# Altium PCB 掌控拓展板Ⅰ V1.0.PcbDoc (part 2 of 2)
Units mm, origin at the board's own origin, x right, y up, seen from the top; angles counter-clockwise.
Board outline 51.8 x 47.39 mm, 2 copper layers (Top Layer, Bottom Layer); 91 components, 63 nets, 279 pads, 115 vias.
Unrouted connection lines stored in the file: 1.
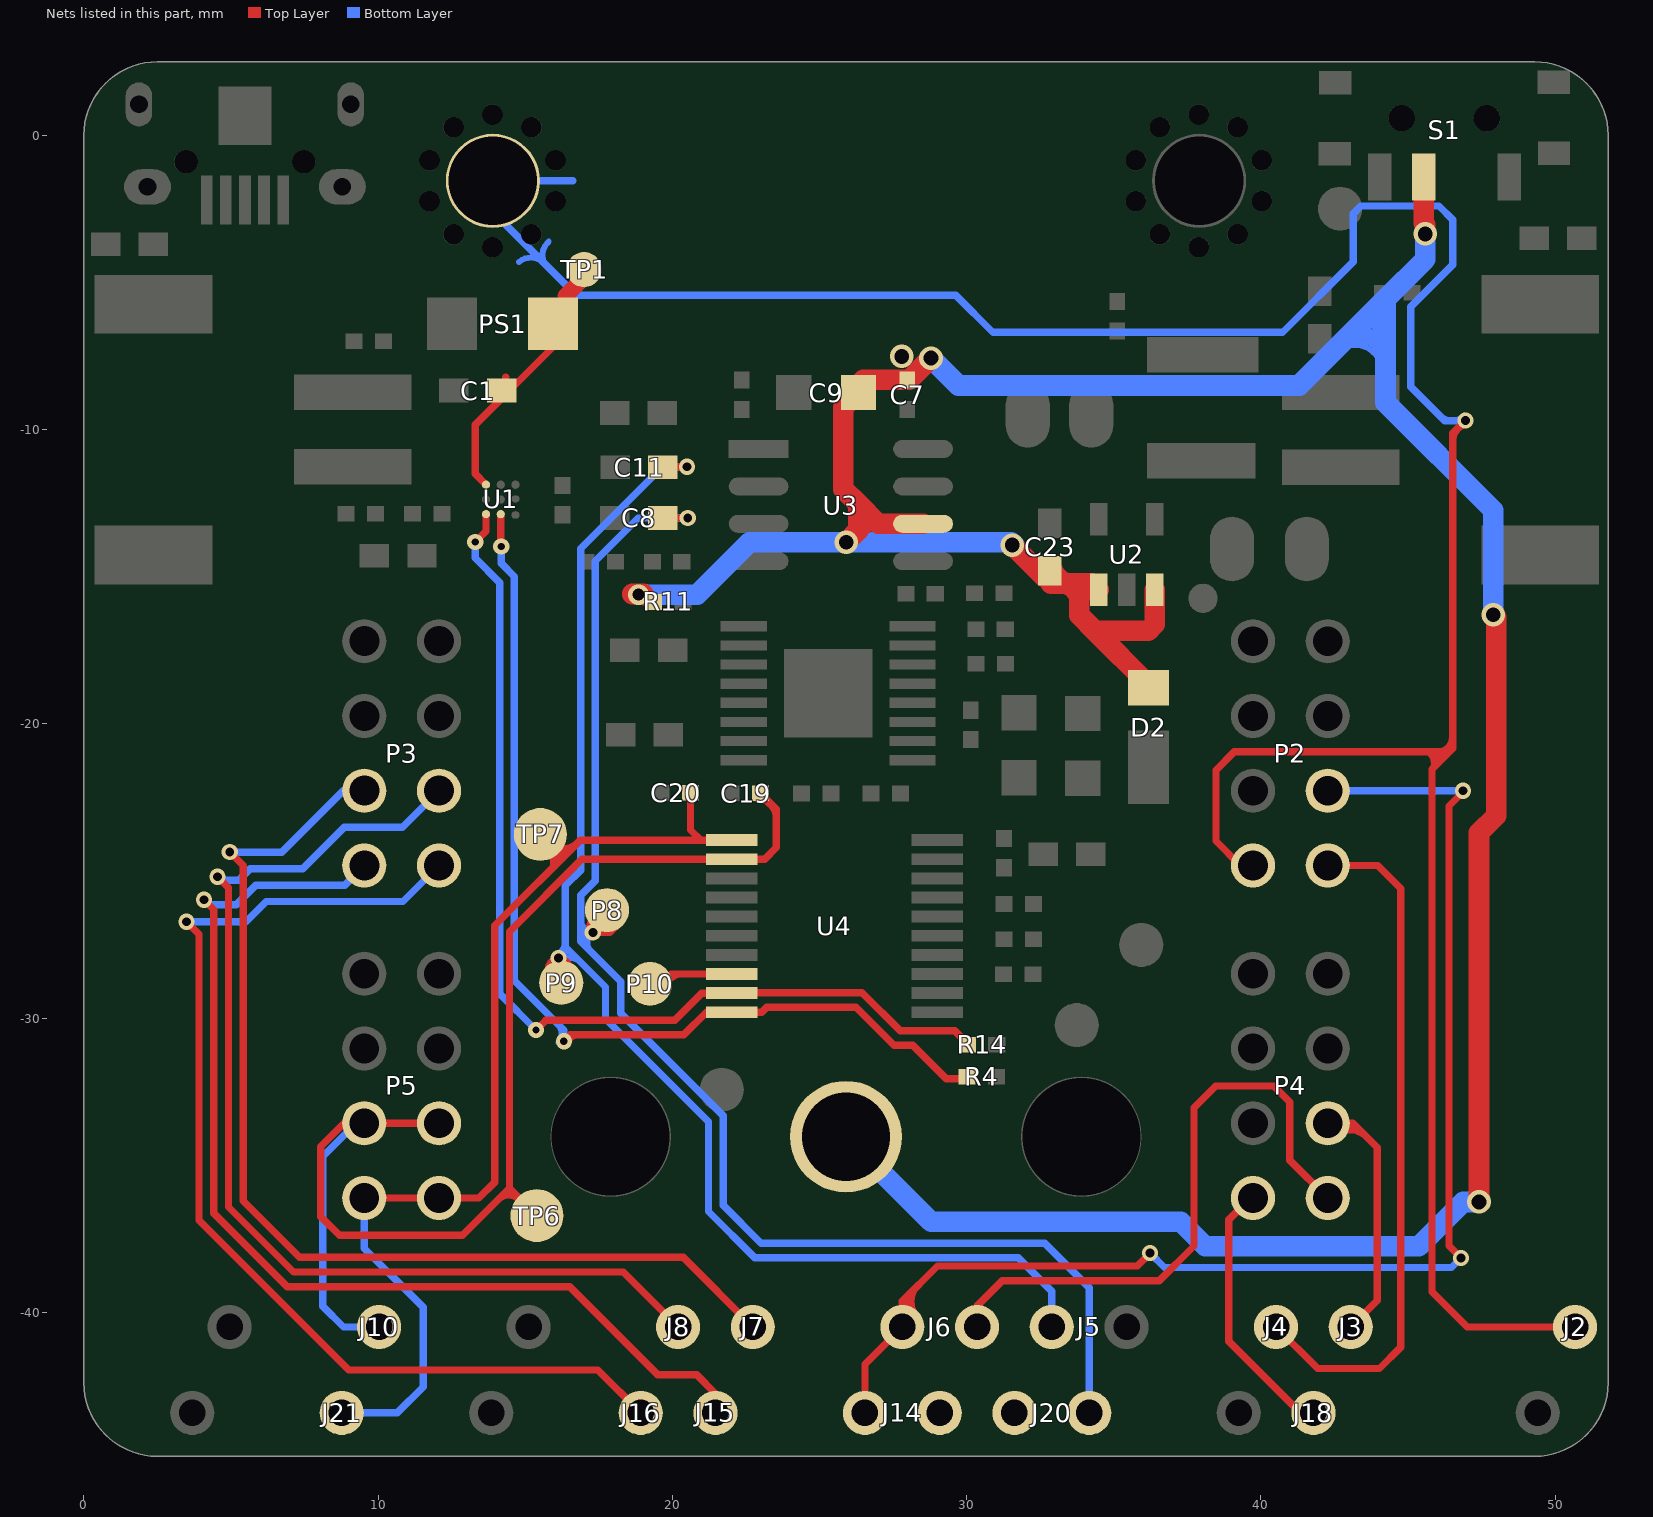
[diagram p2: the nets of this part, all layers, seen from the top]

## Via types
v1: diameter 0.55, hole 0.3, Top Layer to Bottom Layer, 77 vias
v2: diameter 0.55, hole 0.25, Top Layer to Bottom Layer, 17 vias
v3: diameter 0.8, hole 0.5, Top Layer to Bottom Layer, 13 vias
v4: diameter 0.7, hole 0.4, Top Layer to Bottom Layer, 4 vias
v5: diameter 0.6, hole 0.3, Top Layer to Bottom Layer, 4 vias

## Nets (pads, with @x,y where several pads share a name; then routed paths per layer and width w, separated by ;. In a path a pad name is that pad's centre, name@x,y a point inside that pad or via, vN(x,y) a via of type N, cw(c..) or ccw(c..) an arc to the next point about the centre after c; other vN are vias at no path point) (continued)
P2: J6.2 J14.2 P2.4 | length 47.1
  Top Layer w0.2: 28.094,-39.347 ccw(c28.442,-39.633) J6.2@28.156,-39.981 ; J6.2@28.347,-40.165 cw(c28.902,-39.628) 28.365,-39.073
  Top Layer w0.25: J14.2@26.544,-43.412 26.544,-41.762 J6.2@27.814,-40.492 27.814,-39.616 29.011,-38.419 35.799,-38.419 v1(36.236,-37.982) ; v1(46.801,-38.144) 46.392,-37.735 46.392,-22.787 46.866,-22.312 v1(46.866,-22.27)
  Bottom Layer w0.25: v1(36.236,-37.982) 36.724,-38.47 46.475,-38.47 v1(46.801,-38.144) ; P2.4@42.27,-22.27 v1(46.866,-22.27)
P3: ?.0@13.9,-1.544 J2.1 P2.1 | length 101.3
  Top Layer w0.2: 45.659,-20.947 cw(c45.442,-21.319) 45.814,-21.536 ; 45.926,-20.993 cw(c45.802,-21.221) 46.029,-21.345 ; 46.022,-20.947 ccw(c45.973,-20.429) 46.491,-20.38 ; 46.532,-10.535 cw(c47.185,-10.442) v1@47.092,-9.789
  Top Layer w0.25: P2.1@39.73,-24.81 39.302,-24.81 38.473,-23.981 38.473,-21.571 39.095,-20.949 46.401,-20.949 ; v1(46.953,-9.693) 46.941,-9.693 46.519,-10.115 46.519,-20.831 46.401,-20.949 ; J2.1@50.674,-40.492 47.013,-40.492 45.814,-39.293 45.814,-21.536 46.401,-20.949
  Bottom Layer w0.2: 14.79,-4.298 cw(c15.193,-4.795) 15.691,-4.393 ; 15.729,-4.457 cw(c16.187,-4.07) 15.8,-3.612 ; 46.1,-9.525 ccw(c46.497,-9.116) v1@46.907,-9.512
  Bottom Layer w0.25: ?.0@13.9,-1.544 16.62,-1.544 ; ?.0@14.35,-3.048 16.089,-4.787 16.737,-5.435 29.633,-5.435 30.893,-6.696 40.731,-6.696 43.135,-4.291 43.135,-2.658 43.395,-2.399 46.05,-2.399 46.519,-2.868 46.519,-4.401 45.096,-5.824 45.096,-8.547 46.242,-9.693 v1(46.953,-9.693)
P4: 
P5: J3.2 P4.4 | length 10.1
  Top Layer w0.2: P4.4@42.593,-34.035 cw(c43.058,-34.409) 43.432,-33.944 ; P4.4@42.678,-33.873 cw(c43.048,-34.13) 43.305,-33.76
  Top Layer w0.25: P4.4@42.27,-33.57 43.128,-33.57 43.953,-34.395 43.953,-39.593 J3.2@43.054,-40.492
P6: J18.2 P4.1 | length 9.2
  Top Layer w0.25: P4.1@39.73,-36.11 39.637,-36.11 38.904,-36.843 38.904,-40.978 41.337,-43.412 J18.2@41.784,-43.412
P7: J4.1 P2.2 | length 23.5
  Top Layer w0.25: J4.1@40.514,-40.492 41.928,-41.905 44.029,-41.905 44.752,-41.182 44.752,-25.592 43.97,-24.81 P2.2@42.27,-24.81
P8: C8.2 J20.1 P8.1 | length 50.8
  Top Layer w0.2: v1@17.212,-27.106 cw(c17.549,-26.924) P8.1@17.366,-26.587 ; v1@17.311,-27.037 cw(c17.764,-27.102) P8.1@17.83,-26.649
  Top Layer w0.25: v1(17.297,-27.086) 17.875,-27.086 P8.1@18.19,-26.771 ; C8.2@19.666,-13.002 v1(20.524,-13.002)
  Bottom Layer w0.2: 16.896,-26.585 ccw(c17.347,-26.635) v1(17.297,-27.086) ccw(c17.523,-27.431) 17.177,-27.657
  Bottom Layer w0.25: 16.923,-27.426 18.251,-28.754 18.251,-29.836 21.729,-33.314 21.729,-36.362 23.01,-37.643 32.651,-37.643 34.165,-39.157 J20.1@34.165,-43.412 ; v1(17.297,-27.086) 17.187,-27.086 16.885,-27.388 16.885,-25.82 17.381,-25.324 17.381,-14.463 18.843,-13.002 v1(20.524,-13.002)
P9: C11.2 J5.2 P9.1 | length 49.2
  Top Layer w0.2: P9.1@15.792,-28.484 cw(c16.15,-28.34) v1@16.006,-27.983 ; P9.1@16.046,-28.499 cw(c16.407,-28.296) v1@16.205,-27.935 ; v1@16.301,-27.978 cw(c16.114,-28.364) P9.1@16.5,-28.551
  Top Layer w0.25: v1(16.135,-27.958) 16.363,-28.186 P9.1@16.363,-28.915 ; C11.2@19.473,-11.258 v1(20.495,-11.258)
  Bottom Layer w0.2: v1@16.025,-27.819 ccw(c15.967,-27.454) 16.332,-27.396 ; v1@16.215,-28.09 cw(c16.536,-28.386) 16.832,-28.065
  Bottom Layer w0.25: v1(16.135,-27.958) 16.163,-27.958 16.455,-27.666 ; v1(20.495,-11.258) 19.664,-11.258 16.881,-14.04 16.881,-24.969 16.358,-25.493 16.358,-27.568 16.455,-27.666 ; J5.2@32.894,-40.492 32.894,-39.282 31.755,-38.143 22.802,-38.143 21.229,-36.569 21.229,-33.521 17.729,-30.021 17.729,-28.94 16.455,-27.666
P10: J20.2
P11: J6.1 P4.2 | length 21.2
  Top Layer w0.25: J6.1@30.354,-40.492 30.354,-39.774 31.209,-38.919 36.548,-38.919 37.725,-37.743 37.725,-33.038 38.46,-32.302 40.439,-32.302 40.985,-32.848 40.985,-34.825 P4.2@42.27,-36.11
P12: J14.1
P13: J7.2 P3.3 | length 36.6
  Top Layer w0.25: v1(4.956,-24.351) 5.416,-24.811 5.416,-36.209 7.331,-38.125 20.367,-38.125 J7.2@22.734,-40.492
  Bottom Layer w0.25: v1(4.956,-24.351) 4.966,-24.361 6.722,-24.361 8.815,-22.269 P3.3@9.531,-22.269
P14: J15.2 P3.1 | length 37.1
  Top Layer w0.25: v1(4.084,-25.972) 4.416,-26.304 4.416,-36.623 6.917,-39.125 16.513,-39.125 19.509,-42.12 20.828,-42.12 21.464,-42.757 J15.2@21.464,-43.412
  Bottom Layer w0.25: v1(4.084,-25.972) 4.255,-26.144 5.175,-26.144 5.841,-25.478 8.862,-25.478 P3.1@9.531,-24.809
P15: J8.1 P3.4 | length 37.2
  Top Layer w0.25: v1(4.547,-25.192) 4.916,-25.561 4.916,-36.416 7.124,-38.625 18.327,-38.625 J8.1@20.194,-40.492
  Bottom Layer w0.25: v1(4.547,-25.192) 4.661,-25.306 5.27,-25.306 5.657,-24.919 7.445,-24.919 8.853,-23.511 10.829,-23.511 P3.4@12.071,-22.269
P16: J16.1 P3.2 | length 37.9
  Top Layer w0.25: v1(3.488,-26.721) 3.916,-27.149 3.916,-36.866 9.005,-41.955 17.468,-41.955 J16.1@18.925,-43.412
  Bottom Layer w0.25: v1(3.488,-26.721) 5.511,-26.721 6.196,-26.036 10.844,-26.036 P3.2@12.071,-24.809 P3.2@12.071,-25.291
SCL: C19.2 J10.1 P5.3 P5.4 TP6.1 U4.12 | length 48.1
  Top Layer w0.2: 14.182,-36.108 cw(c14.442,-36.501) TP6.1@14.835,-36.241 ; C19.2@22.826,-22.54 cw(c22.814,-23.25) 23.525,-23.262
  Top Layer w0.25: P5.4@11.612,-34.027 P5.4@12.07,-33.57 P5.3@9.53,-33.57 8.842,-33.57 8.054,-34.357 8.054,-36.742 8.689,-37.376 12.866,-37.376 14.466,-35.777 14.466,-27.058 16.925,-24.598 U4.12@22.019,-24.598 23.135,-24.598 23.535,-24.198 23.535,-22.896 C19.2@22.99,-22.351 ; 14.466,-35.777 TP6.1@15.396,-36.707
  Bottom Layer w0.25: P5.3@9.53,-33.57 9.248,-33.57 8.118,-34.7 8.118,-39.786 8.823,-40.492 J10.1@10.034,-40.492
SCL1: R4.1 U1.C2 U4.20 | length 35.3
  Top Layer w0.2: v2@16.462,-30.855 cw(c16.79,-30.913) 16.847,-30.585
  Top Layer w0.25: v2@14.168,-13.957 U1.C2@14.168,-12.872 ; v2(16.314,-30.781) 16.529,-30.567 20.392,-30.567 21.161,-29.798 U4.20@22.019,-29.798 23.04,-29.798 23.207,-29.631 26.239,-29.631 27.531,-30.923 28.174,-30.923 29.309,-32.058 R4.1@30.107,-32.058
  Bottom Layer w0.2: 16.083,-30.203 cw(c15.801,-30.537) v2@16.136,-30.82
  Bottom Layer w0.25: v2(14.182,-13.971) 14.182,-14.539 14.632,-14.989 14.632,-28.72 16.314,-30.402 v2(16.314,-30.781)
SDA: C20.2 J21.1 P5.1 P5.2 TP7.1 U4.11 | length 38.4
  Top Layer w0.2: TP7.1@15.743,-24.403 cw(c15.594,-24.727) 15.918,-24.876 ; TP7.1@15.845,-24.27 cw(c15.689,-24.614) 16.032,-24.771 ; TP7.1@15.95,-24.017 ccw(c16.353,-23.698) 16.672,-24.101 ; TP7.1@15.969,-24.143 ccw(c16.312,-23.951) 16.504,-24.295
  Top Layer w0.25: P5.1@9.53,-36.11 P5.2@12.07,-36.11 13.426,-36.11 13.966,-35.57 13.966,-26.851 16.868,-23.948 20.96,-23.948 ; TP7.1@15.513,-23.752 16.282,-24.522 ; C20.2@20.618,-22.338 20.618,-23.606 20.96,-23.948 ; U4.11@22.019,-23.948 20.96,-23.948
  Bottom Layer w0.25: J21.1@8.765,-43.412 10.652,-43.412 11.53,-42.534 11.53,-39.824 9.53,-37.824 P5.1@9.53,-36.11
SDA1: R14.1 U1.C1 U4.19 | length 34.6
  Top Layer w0.25: v2(13.299,-13.816) 13.668,-13.447 U1.C1@13.668,-12.872 ; v2(15.368,-30.402) 15.703,-30.067 20.079,-30.067 20.998,-29.148 U4.19@22.019,-29.148 22.036,-29.131 26.446,-29.131 27.738,-30.423 29.595,-30.423 R14.1@30.107,-30.935
  Bottom Layer w0.25: v2(13.299,-13.816) 13.299,-14.363 14.132,-15.197 14.132,-29.167 v2(15.368,-30.402)
SWIM: P10.1 U4.18 | length 4.3
  Top Layer w0.2: P10.1@19.747,-29.112 cw(c20.349,-29.114) 20.351,-28.512
  Top Layer w0.25: P10.1@19.04,-29.41 19.952,-28.498 U4.18@22.019,-28.498
VBUS: C1.1 PS1.2 TP1.1 U1.A1 | length 7
  Top Layer w0.25: U1.A1@13.668,-11.872 13.297,-11.5 13.297,-9.838 PS1.2@15.945,-7.189 ; C1.1@14.341,-8.374 14.341,-8.209
  Top Layer w0.55: 16.364,-5.466 TP1.1@16.988,-4.841
VCC: C7.1 C9.1 C23.1 D2.A pad.M3 R11.1 S1.3 U2.1 U2.3 U3.6 | length 123
  Top Layer w0.2: v4@18.834,-15.714 ccw(c19.167,-15.523) R11.1@19.358,-15.856 ; 26.513,-13.578 cw(c27.01,-13.867) 27.298,-13.37 ; 33.022,-15.467 cw(c33.136,-15.941) 33.61,-15.826 ; C23.1@33.09,-14.483 ccw(c33.707,-14.406) 33.784,-15.022 ; 34.019,-15.918 cw(c34.341,-15.98) U2.1@34.403,-15.657
  Top Layer w0.5: R11.1@19.126,-15.624 R11.1@19.358,-15.856
  Top Layer w0.7: v4@18.634,-15.583 v4@19.005,-15.583 ; v3(25.908,-13.826) 26.324,-13.411 26.324,-12.529 ; U3.6@28.519,-13.199 26.994,-13.199 26.324,-12.529 ; v3(28.788,-7.566) 28.045,-8.309 C7.1@27.982,-8.309 26.491,-8.309 26.324,-8.477 C9.1@26.324,-8.74 25.811,-9.252 25.811,-12.017 26.324,-12.529 ; v3(31.547,-13.922) 32.624,-14.998 C23.1@32.822,-14.998 ; C23.1@32.866,-15.227 33.824,-15.227 ; U2.1@34.491,-15.439 34.279,-15.227 33.824,-15.227 ; D2.A@36.19,-18.666 34.363,-16.839 ; U2.3@36.391,-15.439 36.391,-16.612 36.164,-16.839 34.363,-16.839 ; S1.3@45.532,-1.419 45.532,-2.989 v3@45.581,-3.038 ; v3(47.411,-36.244) 47.411,-23.698 47.993,-23.116 47.993,-16.384 v3(47.894,-16.285) ; 33.824,-15.227 33.824,-16.3 34.363,-16.839
  Bottom Layer w0.2: 42.691,-7.259 cw(c43.185,-8.069) 43.995,-7.575 ; 43.048,-7.07 cw(c43.395,-7.683) 44.009,-7.336 ; 43.069,-6.909 cw(c43.427,-7.463) 43.981,-7.105 ; 43.35,-6.67 cw(c43.543,-7.144) 44.016,-6.951 ; 43.631,-6.439 cw(c43.645,-6.825) 44.031,-6.811
  Bottom Layer w0.7: v4(18.848,-15.604) 20.845,-15.604 ; 20.866,-15.583 22.604,-13.845 ; 22.623,-13.826 v3(25.908,-13.826) 31.522,-13.826 v3@31.61,-13.915 ; pad.M3@25.9,-34.027 28.79,-36.918 37.277,-36.918 38.104,-37.745 45.37,-37.745 46.871,-36.244 v3(47.411,-36.244) ; v3(28.788,-7.566) 29.722,-8.5 41.296,-8.5 44.234,-5.562 ; v3(45.581,-3.35) 45.581,-4.214 44.234,-5.562 ; v3(47.894,-16.285) 47.894,-12.736 44.234,-9.076 44.234,-5.562
  other v3: 27.799,-7.513
pads on no net: "P1. " ?.12 ?.13 ?.14 ?.15 ?.16 ?.18 ?.19 ?.20 ?.22 ?.24 B1. B2. P1.2 P1.3 P1.4 S1.0 S1.1 U4.3 U4.5 U4.6 U4.10 U4.15 U5.8
copper on no net: | length 0.9
  Top Layer w0.2: 19.212,-25.401 ccw(c19.57,-25.662) 19.309,-26.02
  Top Layer w0.28: 40.235,-12.087 40.29,-12.031 ; 40.235,-9.897 40.29,-9.952
  Top Layer w0.35: 37.961,-15.773 37.961,-15.722

## Polygon pours and split planes (outlines as drawn)
GND on Top Layer "Bottom Layer-No Net" (solid, remove dead copper, pour order 18): 0.486,2.903 0.654,2.734 51.345,2.734 51.345,2.678 52.187,1.837 52.187,-44.899 1.187,-44.899 -0.608,-43.103 -0.552,-43.047 -0.552,-41.532 -0.552,1.837 0.514,2.903
AU_GND on Top Layer "Bottom Layer-No Net" (solid, remove dead copper, pour order 14): 35.046,-5.387 21.946,-5.387 21.188,-6.144 20.936,-6.396 20.936,-11.376 20.936,-12.793 21.385,-13.241 22.907,-14.763 30.348,-14.763 30.348,-14.742 30.488,-14.602 31.217,-13.873 31.217,-12.968 31.217,-12.631 31.301,-12.547 31.526,-12.323 32.108,-12.323 34.773,-12.323 35.621,-11.474 36.141,-10.955 36.141,-8.472 36.141,-6.242 35.439,-5.541 35.285,-5.387 35.055,-5.387
GND on Bottom Layer "Bottom Layer-No Net" (solid, remove dead copper, pour order 16): 0.626,2.959 51.513,2.959 52.243,2.23 52.355,2.118 52.355,-45.572 1.524,-45.572 -0.384,-43.664 -0.215,-43.496 -0.215,2.173 -0.187,2.173 0.626,2.987

## Keep-outs
Keep-Out Layer:
  lines w0.013: -0.028,0 0,0 ; 2.5,2.519 2.5,2.5 ; 49.3,-44.888 49.25,-44.888 2.55,-44.888 2.5,-44.888 ; 151.549,31.319 147.549,31.319 147.549,-67.463 151.549,-67.463 151.549,-63.961 ; 151.549,-23.573 151.549,-12.571 ; 151.549,27.817 151.549,31.319 ; 153.549,-64.958 ccw(c156.056,-64.951) 156.049,-67.459 156.099,-67.459 202.799,-67.459 ; 153.549,-22.571 cw(c156.056,-22.578) 156.049,-20.071 ; 156.049,-67.458 cw(c156.056,-64.951) 153.549,-64.958 ; 156.099,-67.458 202.799,-67.458 ; 156.099,-20.071 202.799,-20.071 ; 202.849,-20.071 cw(c202.842,-22.578) 205.349,-22.571 ; 209.349,-64.953 ccw(c211.856,-64.946) 211.849,-67.453 211.899,-67.453 258.599,-67.453 258.649,-67.453 ccw(c258.642,-64.946) 261.149,-64.954 ; 209.349,-22.565 cw(c211.856,-22.573) 211.849,-20.066 ; 211.835,-16.063 211.899,-16.063 ; 211.849,-67.453 cw(c211.856,-64.946) 209.349,-64.953 ; 211.899,-67.453 258.599,-67.453 ; 211.899,-20.065 258.599,-20.065 ; 258.649,-20.065 cw(c258.642,-22.573) 261.149,-22.565 ; 263.149,-63.951 263.149,-67.453 267.15,-67.453 ; 263.149,-23.563 263.149,-12.561 ; 263.149,27.827 263.149,31.329 267.149,31.329 267.149,-67.453 ; 0,-42.388 ccw(c2.507,-42.381) 2.5,-44.888 ; 0,-42.388 ccw(c2.507,-42.381) 2.5,-44.888 ; 0,-42.388 0,0 ; 0,-42.388 0,0 ; 0,0 cw(c2.507,-0.007) 2.5,2.5 ; 0,0 cw(c2.507,-0.007) 2.5,2.5 ; 2.5,2.5 2.55,2.5 ; 2.5,2.5 2.55,2.5 ; 2.55,2.5 49.25,2.5 ; 2.55,2.5 49.25,2.5 ; 49.25,2.5 49.3,2.5 ; 49.25,2.5 49.3,2.5 ; 49.3,2.5 cw(c49.293,-0.007) 51.8,0 ; 49.3,2.5 cw(c49.293,-0.007) 51.8,0 ; 51.8,-42.388 cw(c49.293,-42.38) 49.3,-44.888 ccw(c49.293,-42.38) 51.8,-42.388 ; 51.8,-42.388 51.8,0 ; 51.8,-42.388 51.8,0 ; 153.549,-64.958 153.549,-22.571 ; 153.549,-64.958 153.549,-22.571 ; 153.549,-64.958 153.549,-22.571 ; 153.549,-22.571 cw(c156.056,-22.578) 156.049,-20.071 ; 153.549,28.819 cw(c156.056,28.812) 156.049,31.319 ; 153.549,28.819 cw(c156.056,28.812) 156.049,31.319 ; 153.549,28.819 cw(c156.056,28.812) 156.049,31.319 ; 153.549,28.819 153.549,-13.568 153.549,28.819 ; 156.049,-20.071 156.099,-20.071 202.799,-20.071 202.849,-20.071 cw(c202.842,-22.578) 205.349,-22.571 ; 156.049,-16.069 cw(c156.056,-13.561) 153.549,-13.569 ccw(c156.056,-13.561) 156.049,-16.069 ; 156.049,-16.069 156.099,-16.069 ; 156.049,31.319 156.099,31.319 ; 156.099,-16.069 202.799,-16.069 ; 156.099,-16.069 202.799,-16.069 ; 156.099,31.319 202.799,31.319 ; 156.099,31.319 202.799,31.319 ; 202.799,-16.068 202.849,-16.068 ; 202.799,31.319 202.849,31.319 ; 202.849,-67.458 ccw(c202.842,-64.951) 205.349,-64.958 ; 202.849,-67.458 ccw(c202.842,-64.951) 205.349,-64.958 ; 202.849,-67.458 ccw(c202.842,-64.951) 205.349,-64.958 ; 202.849,-16.068 ccw(c202.842,-13.561) 205.349,-13.568 ; 202.849,-16.068 ccw(c202.842,-13.561) 205.349,-13.568 ; 202.849,31.319 cw(c202.842,28.812) 205.349,28.819 ; 202.849,31.319 cw(c202.842,28.812) 205.349,28.819 ; 205.349,-64.958 205.349,-22.571 ; 205.349,-64.958 205.349,-22.571 ; 205.349,-13.568 205.349,28.819 ; 205.349,-13.569 205.349,28.819 ; 205.349,-13.569 205.349,28.819 ; 209.349,-64.953 209.349,-22.565 ; 209.349,-64.953 209.349,-22.565 ; 209.349,-64.953 209.349,-22.565 ; 209.349,-22.565 cw(c211.856,-22.573) 211.849,-20.066 ; 209.349,28.825 cw(c211.856,28.817) 211.849,31.324 ; 209.349,28.825 cw(c211.856,28.817) 211.849,31.324 ; 209.349,28.825 cw(c211.856,28.817) 211.849,31.324 ; 209.349,28.825 209.349,-13.563 209.349,28.825 ; 211.849,-20.066 211.899,-20.066 258.599,-20.066 258.649,-20.066 cw(c258.642,-22.573) 261.149,-22.565 ; 211.899,-16.063 258.599,-16.063 ; 211.899,-16.063 258.599,-16.063 ; 258.599,-16.063 258.649,-16.063 ; 258.599,31.324 258.649,31.324 ; 258.599,31.324 211.899,31.324 258.599,31.324 ; 258.649,-16.063 ccw(c258.642,-13.556) 261.149,-13.563 ; 258.649,-16.063 ccw(c258.642,-13.556) 261.149,-13.563 ; 258.649,31.324 cw(c258.642,28.817) 261.149,28.825 ; 258.649,31.324 cw(c258.642,28.817) 261.149,28.825 ; 261.149,-64.953 cw(c258.642,-64.946) 258.649,-67.453 ccw(c258.642,-64.946) 261.149,-64.953 ; 261.149,-64.953 261.149,-22.565 ; 261.149,-64.953 261.149,-22.565 ; 261.149,-13.563 261.149,28.825 ; 261.149,-13.563 261.149,28.825 ; 261.149,-13.563 261.149,28.825 ; 20.114,-1.545 cw(c20.864,-1.545) 20.864,-0.795 cw(c20.864,-1.545) 21.614,-1.545 cw(c20.864,-1.545) 20.864,-2.295 cw(c20.864,-1.545) 20.114,-1.545 ; 25.323,-1.545 cw(c26.073,-1.545) 26.073,-0.795 cw(c26.073,-1.545) 26.823,-1.545 cw(c26.073,-1.545) 26.073,-2.295 cw(c26.073,-1.545) 25.323,-1.545 ; 30.531,-1.545 cw(c31.281,-1.545) 31.281,-0.795 cw(c31.281,-1.545) 32.031,-1.545 cw(c31.281,-1.545) 31.281,-2.295 cw(c31.281,-1.545) 30.531,-1.545 ; 209.349,-13.563 ccw(c211.856,-13.556) 211.849,-16.063 cw(c211.856,-13.556) 209.349,-13.563
  lines w0.05: 151.549,-58.961 cw(c152.549,-58.961) 153.549,-58.958 ; 151.549,-28.573 ccw(c152.549,-28.57) 153.549,-28.57 ; 151.549,-7.571 cw(c152.549,-7.571) 153.549,-7.568 ; 151.549,22.817 ccw(c152.549,22.82) 153.549,22.82 ; 205.35,-58.958 cw(c207.35,-58.958) 209.35,-58.953 ; 205.349,-28.57 ccw(c207.349,-28.565) 209.349,-28.565 ; 205.349,-7.568 cw(c207.349,-7.568) 209.349,-7.563 ; 205.349,22.82 ccw(c207.349,22.825) 209.349,22.825 ; 261.149,-58.954 cw(c262.149,-58.954) 263.149,-58.951 ; 261.149,-28.566 ccw(c262.149,-28.563) 263.149,-28.563 ; 261.149,-7.564 cw(c262.149,-7.564) 263.149,-7.561 ; 261.149,22.824 ccw(c262.149,22.827) 263.149,22.827

## Other copper
Top Layer:
  region net GND: 36.721,-3.729 36.006,-3.729 36.006,-5.069 36.721,-5.069
  region net GND: 35.314,-0.299 34.086,-0.299 34.086,-0.986 35.314,-0.986
  region net GND: 35.669,-4.98 35.208,-4.98 35.208,-5.532 35.669,-5.532
  region net GND: 35.341,-5.018 34.868,-5.018 34.868,-5.825 35.341,-5.825
  region net VCC: 45.959,-2.995 45.096,-2.995 45.096,-3.984 45.959,-3.984
  region net NetS1_2: 44.479,-2.932 43.574,-2.932 43.574,-3.872 44.479,-3.872
  region net NetS1_2: 44.058,-2.154 42.789,-2.154 42.789,-2.869 44.058,-2.869
  region net GND: 35.099,-23.734 33.865,-23.734 33.865,-24.709 35.099,-24.709
  region net VCC: 34.297,-15.773 33.982,-15.773 33.982,-16.415 34.297,-16.415
  region net GND: 35.722,-14.409 35.13,-14.409 35.13,-15.181 35.722,-15.181
  region net GND: 33.624,-12.539 32.045,-12.539 32.045,-13.2 33.624,-13.2
  region net GND: 32.112,-17.742 31.224,-17.742 31.224,-18.199 32.112,-18.199
  region net GND: 4.126,-1.795 0.972,-1.795 0.972,-2.388 4.126,-2.388
  region net GND: 4.175,-1.622 2.669,-1.622 2.669,-2.196 4.175,-2.196
  region net GND: 18.751,-17.477 17.548,-17.477 17.548,-18.488 18.751,-18.488
  region net GND: 22.448,-22.821 21.3,-22.821 21.3,-23.339 22.448,-23.339
  region net GND: 22.282,-22.043 21.411,-22.043 21.411,-23.185 22.282,-23.185
  region net GND: 41.365,0.817 39.711,0.817 39.711,-0.084 41.365,-0.084
  region net AU_GND: 30.172,-11.708 27.09,-11.708 27.09,-12.188 30.172,-12.188
  region net NetS1_2: 44.484,-1.477 43.555,-1.477 43.555,-3.432 44.484,-3.432
  region net VCC: 45.989,-1.575 45.082,-1.575 45.082,-3.446 45.989,-3.446
  region net 3V3: 39.953,-5.768 36.788,-5.768 36.788,-8.293 39.953,-8.293
  region net NetL1_1: 34.394,-13.474 34.455,-13.536 35.319,-13.536 35.475,-13.38 35.475,-12.27 35.96,-11.786 39.499,-11.786 39.7,-11.585 39.7,-10.275 39.115,-9.69 37.03,-9.69 34.271,-12.449 34.271,-13.357 34.4,-13.485
  region net NetP1_1: 6.823,-1.832 6.857,-1.798 6.956,-1.798 9.353,-4.195 10.512,-4.195 11.415,-5.098 13.243,-5.098 13.522,-5.376 13.522,-7.221 13.36,-7.383 11.46,-7.383 10.986,-6.909 10.986,-6.229 10.596,-5.839 9.002,-5.839 6.617,-3.453 6.617,-2.004 6.801,-1.821
  region net VBUS: 13.516,-11.663 13.516,-10.035 14.402,-9.149 14.687,-9.149 15.367,-8.47 15.367,-8.202 15.763,-7.806 16.571,-7.806 16.972,-7.405 16.972,-5.465 16.849,-5.343 14.993,-5.343 14.765,-5.571 14.765,-7.176 13.723,-8.219 13.723,-9.01 13.026,-9.707 13.026,-11.398 13.33,-11.702 13.477,-11.702
  region net NetS1_2: 15.712,-8.492 15.723,-8.481 16.448,-8.481 16.576,-8.609 16.576,-9.367 16.141,-9.802 15.317,-9.802 14.274,-10.844 14.274,-10.938 14.152,-10.938 14.093,-10.997 14.09,-10.994 14.051,-10.994 13.954,-10.897 13.954,-10.063 14.442,-9.576 14.726,-9.576 15.718,-8.584 15.718,-8.489
  region net NetC12_1: 27.823,-19.146 29.169,-19.146 29.464,-18.852 34.149,-18.852 36.477,-21.18 36.477,-22.408 36.225,-22.66 35.39,-22.66 35.018,-22.288 35.018,-21.047 34.009,-20.037 30.979,-20.037 30.65,-19.707 29.681,-19.707 29.296,-19.322 28.573,-19.322
  region net GND: 32.008,-25.931 32.008,-27.696 32.1,-27.789 33.168,-27.789 33.427,-27.53 33.427,-26.542 32.662,-25.777 32.075,-25.777 32.001,-25.851 32.001,-25.987
  region net VCC: 27.03,-8.296 27.079,-8.296 27.291,-8.084 27.291,-7.351 27.545,-7.097 28.912,-7.097 29.131,-7.316 29.131,-8.049 28.673,-8.507 28.067,-8.507
  region net NetS1_2: 13.989,-10.849 13.989,-11.626 14.131,-11.767 14.168,-11.729 14.168,-10.91 14.058,-10.799 14.007,-10.849
Bottom Layer:
  region net GND: 40.47,-0.889 40.47,-1.913 41.741,-1.913 41.741,-0.889
  region net AU_GND: 21.752,-10.368 21.752,-11.598 22.382,-12.228 34.438,-12.228 34.685,-11.982 34.685,-11.185 33.867,-10.368 21.752,-10.368 21.746,-10.373
  region net VCC: 29.328,-7.95 29.434,-7.845 29.434,-7.626 28.863,-7.055 27.299,-7.055 27.136,-7.217 27.136,-8.014 27.482,-8.359 29.434,-8.359

## Silkscreen, mask and mechanical layers (free items; w line width, h text height)
Top Overlay:
  rectangle: 87.713,-24.819 89.454,-23.084
  rectangle: 101.933,-20.293 103.746,-18.479
  rectangle: 133.413,-11.806 135.3,-9.914
  lines w0.127: 59.268,-58.568 141.934,-58.568 ; 59.272,-53.094 141.934,-53.094 ; 59.272,9.026 141.934,9.001 ; 59.282,-25.704 141.934,-25.749 ; 59.302,-13.104 141.934,-13.104 ; 59.302,-8.434 141.934,-8.434 ; 59.302,-3.814 141.934,-3.814 ; 59.322,-21.304 141.934,-21.304 ; 59.342,0.136 141.934,0.136 ; 59.362,-17.094 141.934,-17.094 ; 59.362,4.246 141.934,4.246 ; 141.934,-63.849 141.934,21.751 ; 141.934,-63.844 59.271,-63.844 59.271,21.756 ; 141.934,13.751 59.271,13.751 59.271,21.756 ; 141.934,21.756 59.271,21.756 ; 87.64,-24.897 87.64,-23.006 89.532,-23.006 89.532,-24.897 87.64,-24.897 ; 87.676,-20.375 87.676,-18.484 89.568,-18.484 89.568,-20.375 87.676,-20.375 ; 87.709,-11.82 87.709,-9.929 89.596,-9.929 89.596,-11.82 87.709,-11.82 ; 87.713,-24.819 87.713,-23.084 89.454,-23.084 89.454,-24.819 87.713,-24.819 ; 87.754,-20.297 87.754,-18.562 89.49,-18.562 89.49,-20.297 87.754,-20.297 ; 87.782,-11.742 87.782,-10.007 89.523,-10.007 89.523,-11.742 87.782,-11.742 ; 99.841,-11.893 101.732,-11.893 101.732,-10.002 99.841,-10.002 99.841,-11.893 ; 99.919,-11.815 101.654,-11.815 101.654,-10.08 99.919,-10.08 99.919,-11.815 ; 101.864,-20.375 103.756,-20.375 103.756,-18.484 101.864,-18.484 101.864,-20.375 ; 101.922,-24.847 103.814,-24.847 103.814,-22.956 101.922,-22.956 101.922,-24.847 ; 101.942,-20.297 103.678,-20.297 103.678,-18.562 101.942,-18.562 101.942,-20.297 ; 102,-24.769 103.736,-24.769 103.736,-23.034 102,-23.034 102,-24.769 ; 109.282,-11.82 109.282,-9.929 111.174,-9.929 111.174,-11.82 109.282,-11.82 ; 109.36,-11.742 109.36,-10.007 111.096,-10.007 111.096,-11.742 109.36,-11.742 ; 118.546,-20.375 118.546,-18.484 120.438,-18.484 120.438,-20.375 118.546,-20.375 ; 118.624,-20.297 118.624,-18.562 120.365,-18.562 120.365,-20.297 118.624,-20.297 ; 118.938,-11.871 118.938,-9.98 120.825,-9.98 120.825,-11.871 118.938,-11.871 ; 119.011,-11.793 119.011,-10.058 120.751,-10.058 120.751,-11.793 119.011,-11.793 ; 133.4,-11.82 133.4,-9.929 135.292,-9.929 135.292,-11.82 133.4,-11.82 ; 133.478,-11.742 133.478,-10.007 135.214,-10.007 135.214,-11.742 133.478,-11.742
  lines w0.15: 85.734,-25.718 85.734,13.751
  lines w0.175: 13.775,-30.976 37.475,-30.976 37.475,-7.671 ; 13.801,-7.589 36.342,-7.589 37.471,-7.589 ; 17.87,-7.296 33.87,-7.296 ; 17.87,-7.294 17.87,2.104 33.87,2.104 33.87,-7.288
  text "PCB加工工艺要求说明" at 80.534,16.351 h5
  text "层数:" at 64.584,10.501 h3
  text "层" at 91.734,10.501 h3
  text "2" at 87.934,10.451 h3
  text "1" at 61.003,10.218 h2
  text "mm" at 93.034,5.951 h3
  text "1.6" at 87.934,5.701 h3
  text "板厚:" at 64.587,5.651 h3
  text "2" at 61.003,5.288 h2
  text "FR4 双面玻纤板" at 87.734,1.401 h3
  text "材料:" at 64.587,1.351 h3
  text "3" at 61.003,1.098 h2
  text "大于35um" at 87.634,-2.599 h3
  text "铜箔厚度:" at 64.584,-2.649 h3
  text "4" at 61.003,-2.749 h2
  text "VBUS" at 18.092,-3.414 h0.8 r90
  text "5" at 61.003,-6.722 h2
  text "过孔处理:" at 64.634,-6.849 h3
  text "盖油" at 87.434,-6.949 h3
  text "+" at 34.755,-11.205 h1
  text "表面处理:" at 64.634,-11.599 h3
  text "镀镍" at 102.633,-11.622 h3
  text "抗氧化" at 90.784,-11.69 h3
  text "镀金" at 112.109,-11.699 h3
  text "沉金" at 135.834,-11.704 h3
  text "无铅喷锡" at 121.449,-11.758 h3
  text "6" at 61.003,-11.852 h2
  text "-" at 41.168,-13.141 h1
  text "+" at 38.032,-13.272 h1
  text "喇叭" at 31.105,-14.448 h1.8 r90
  text "电池" at 43.009,-15.425 h1.8
  text "沉金厚度:" at 64.634,-15.749 h3
  text "金厚>1u\"" at 87.634,-15.899 h3
  text "7" at 61.003,-16.002 h2
  text "阻焊，字符颜色：" at 64.631,-19.899 h3
  text "8" at 61.003,-19.992 h2
  text "绿油白字" at 90.534,-20.199 h3
  text "亮黑油白字" at 104.234,-20.249 h3
  text "红油白字" at 121.334,-20.299 h3
  text "SDA" at 14.119,-22.302 h0.8
  text "符合RoHS标准：" at 64.634,-24.199 h3
  text "9" at 61.003,-24.222 h2
  text "是" at 90.834,-24.749 h3
  text "否" at 105.284,-24.749 h3
  text "P8" at 17.379,-25.38 h1
  text "3.3V" at 34.086,-26.377 h0.8
  text "P9" at 14.218,-27.562 h1
  text "拼板方式：" at 64.634,-28.499 h3
  text "10" at 61.003,-28.709 h2
  text "SWIM" at 17.766,-30.774 h0.85
  text "NRST" at 34.794,-32.051 h0.8
  text "GND" at 20.347,-34.505 h0.9
  text "SCL" at 14.947,-35.277 h0.8 r90
  text "见右图" at 94.834,-38.249 h2.52
  text "掌控拓展板Ⅰ" at 18.916,-38.629 h2.5
  text "V1.0" at 33.787,-38.66 h2
  text "生产日期请丝印再此处（正面）" at 0.641,-55.977 h3
  text "版本：" at 116.341,-56.716 h3
  text "PCB名称：" at 61.675,-56.855 h3
  text "PCB正反面不可丝印贵司任何东西（包括编号、日期LOGO等）" at 79.206,-60.916 h2.5
  text "其他特殊说明:" at 61.675,-62.199 h3
  text "把我司料号丝印在工艺板上" at 78.823,-63.157 h2.5
  text "生产日期请丝印在PCB正面指定的位置。" at 78.925,-66.289 h2.5
Bottom Overlay:
  drawing of 47075 lines, arcs and shapes, not listed
Top Solder:
  lines w0.013: 13.979,-3.043 ccw(c13.9,-1.544) 15.389,-1.728
Bottom Solder:
  drawing of 8650 lines, arcs and shapes, not listed
Mechanical 7:
  lines w0.2: 15.359,-39.256 16.399,-38.216 ; 16.399,-63.693 16.399,-38.216 ; 17.477,-39.295 16.399,-38.216 ; 13.571,-38.968 19.439,-38.968 19.439,-36.4 13.571,-36.399 13.571,-38.968

## Text inside footprints (layer, text, board x,y; h text height)
D1: Top Overlay "+" at 51.28,-2.992 h1
D3: Top Overlay "+" at 0.404,-2.256 h1 r180